# Altium PCB PCB1.PcbDoc
Units mm, origin at the board's own origin, x right, y up, seen from the top; angles counter-clockwise.
Board outline 152.4 x 101.6 mm, 2 copper layers (Top Layer, Bottom Layer); 69 components, 124 nets, 384 pads, 0 vias.
Unrouted connection lines stored in the file: 244.
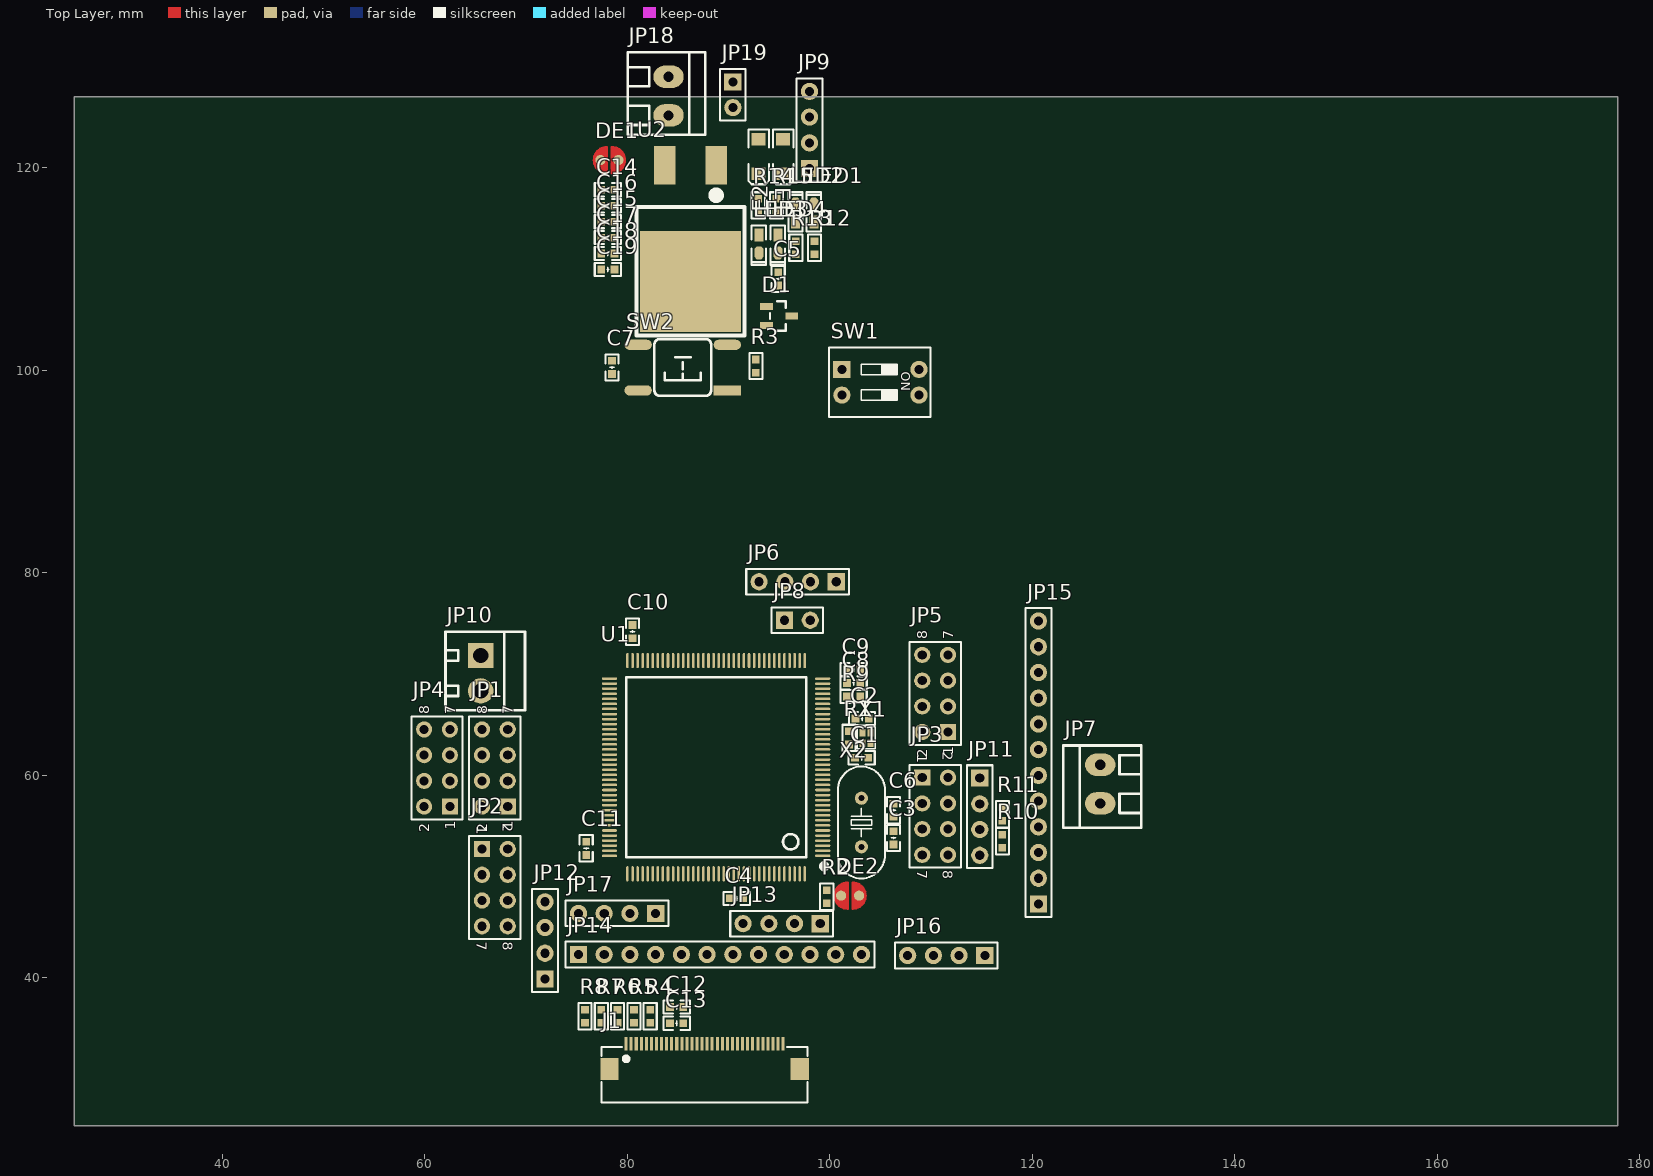
[diagram p0: Top Layer view]
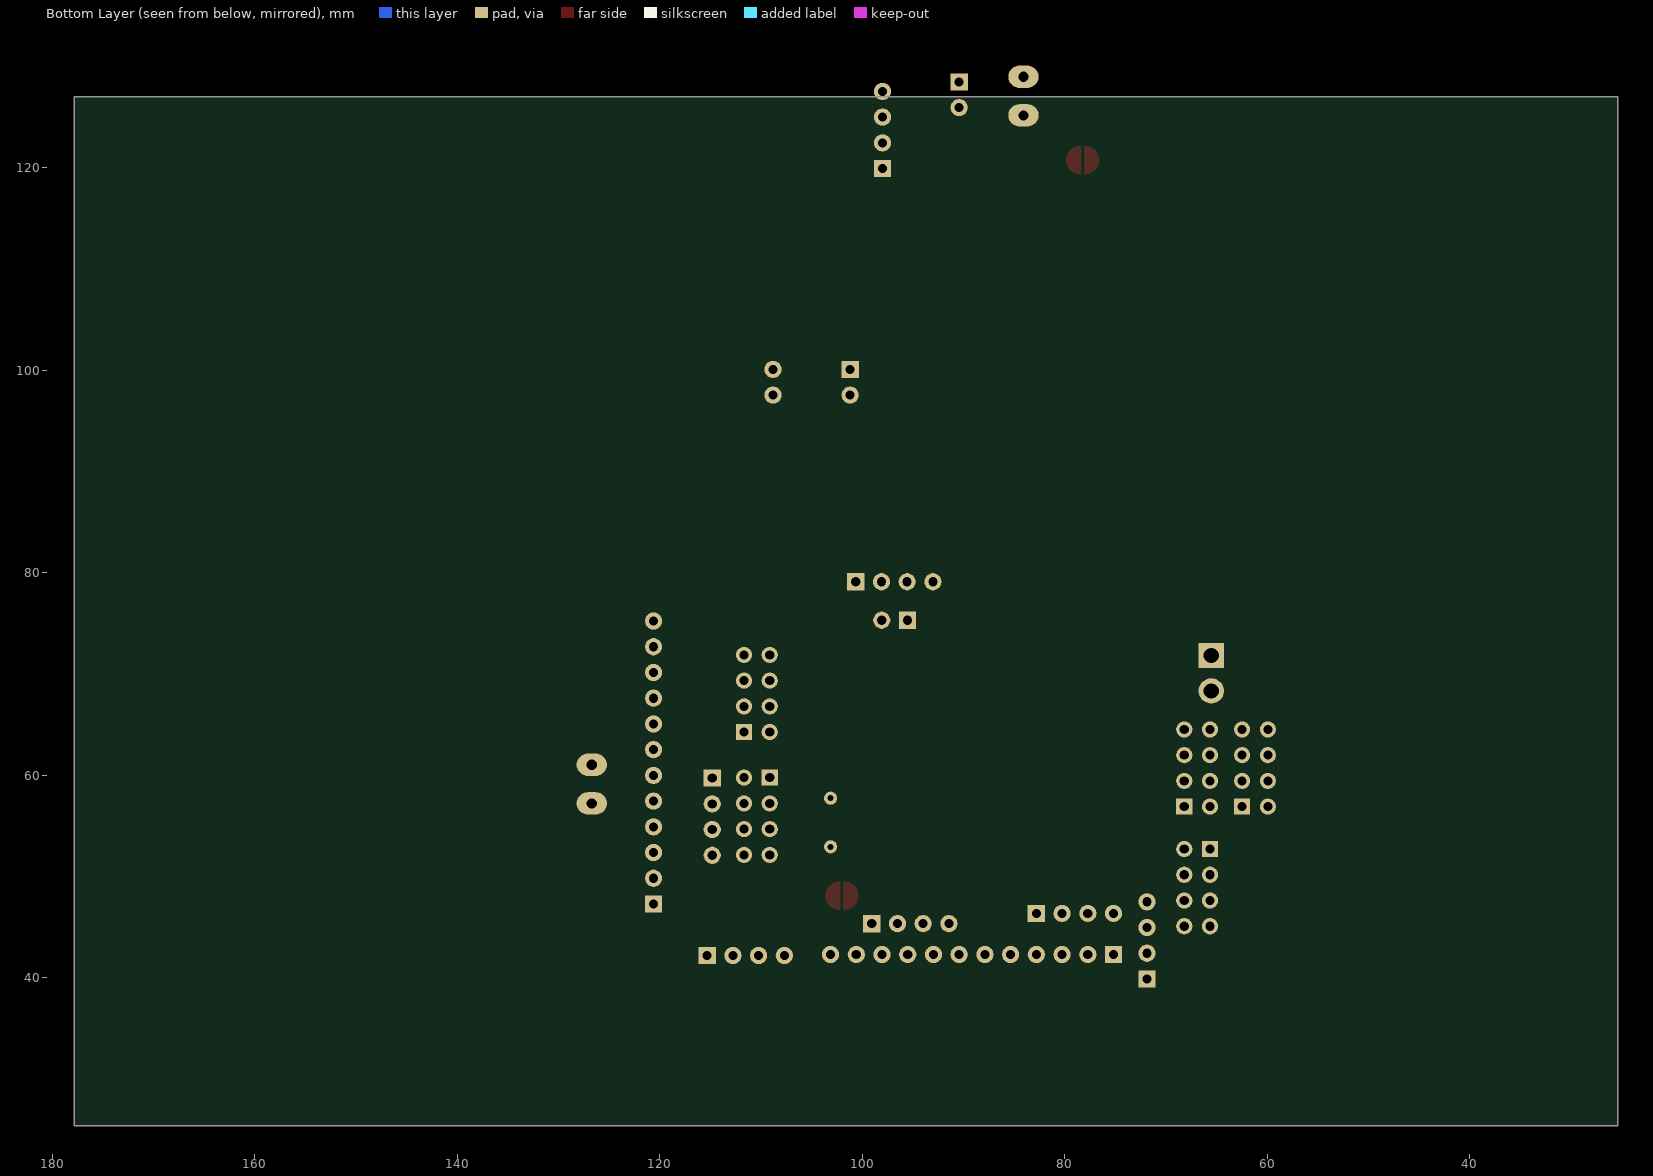
[diagram p1: Bottom Layer view, seen from below]

## Layer stack, top to bottom
Top Solder: solder mask 0.0102, Solder Resist, Dk 3.5
Top Layer: signal copper 0.0356
Dielectric 1: dielectric 0.32, FR-4, Dk 4.8
Bottom Layer: signal copper 0.0356
Bottom Solder: solder mask 0.0102, Solder Resist, Dk 3.5

## Board outline
25.4,25.4 177.8,25.4 177.8,127 25.4,127

## Design rules (kind name [scope] priority, off if disabled: settings)
Clearance [All] p1: gap=0 ignorepadtopadclearanceinfootprint=FALSE
DiffPairsRouting DiffPair_DiffPairsRouting [InDifferentialPair ('NewDifferentialPair3')] p1: maxlimit=0.254 minlimit=0.05 mostfreqgap=0.1 toplayer_minwidth=0.1 toplayer_maxwidth=0.381 toplayer_prefwidth=0.2 bottomlayer_minwidth=0.1 bottomlayer_maxwidth=0.381 bottomlayer_prefwidth=0.2 maxuncoupledlength=12.7
DiffPairsRouting [All] p2: maxlimit=0.254 minlimit=0.254 mostfreqgap=0.254 toplayer_minwidth=0.381 toplayer_maxwidth=0.381 toplayer_prefwidth=0.381 bottomlayer_minwidth=0.381 bottomlayer_maxwidth=0.381 bottomlayer_prefwidth=0.381 maxuncoupledlength=12.7
MatchedLengths DiffPair_MatchedLengths [InDifferentialPair ('NewDifferentialPair3')] p1: tolerance=25.4 checknetsindiffpair=FALSE checkdiffpairvsdiffpair=TRUE checkxsignals=TRUE checkothers=TRUE
PolygonConnect [All] p1: connectstyle=Relief reliefconductorwidth=0.254 reliefentries=4 polygonreliefangle="90 Angle" airgapwidth=0.254
RoutingVias [All] p1: holewidth=0.711 width=1.27 viastyle="Through Hole" minholewidth=0.711 minwidth=1.27 maxholewidth=0.711 maxwidth=1.27
SolderMaskExpansion [All] p1: expansion=0.102
Width [All] p1: maxlimit=2 minlimit=0.1 preferedwidth=0.2
29 further rules are at their usual default settings.

## Classes and differential pairs
component class Sheet2: C14 C15 C16 C17 C18 C19 E1 E2 JP18 JP19 LED3 LED4 R14 R15 U2
component class Sheet1: C1 C2 C3 C4 C5 C6 C7 C8 C9 C10 C11 C12 C13 D1 DE1 DE2 J1 JP1 JP2 JP3 JP4 JP5 JP6 JP7 JP8 JP9 JP10 JP11 JP12 JP13 JP14 JP15 JP16 JP17 LED1 LED2 R1 R2 R3 R4 R5 R6 R7 R8 R9 R10 R11 R12 R13 SW1 SW2 U1 X1 X2
differential pair NewDifferentialPair5: +PA5_DAC2 -PA4_DAC1
differential pair NewDifferentialPair4: +PB12_CAN2_RX -PB13_CAN2_TX
differential pair NewDifferentialPair3: +OSC_IN -OSC_OUT
differential pair NewDifferentialPair2: +PB6_USART1 -PB7_USART1
differential pair NewDifferentialPair1: +OSC32_OUT -OSC32_IN

## Components (designator, comment, footprint, x,y, rotation, side; value= is the part's Value field where it differs from the comment)
C1 "22pF" "C 0603_L" 103.139,61.722 r0 top
C2 "22pF" "C 0603_L" 103.185,65.586 r0 top
C3 "10pF" "C 0603_L" 106.3,53.8 r90 top
C4 "104" "C 0603_L" 90.805,47.834 r0 top
C5 "104" "C 0603_L" 94.9,109 r270 top
C6 "10pF" "C 0603_L" 106.3,56.538 r270 top
C7 "104" "C 0603_L" 78.496,100.259 r90 top
C8 "10uF" "C 0603_L" 102.347,69.106 r180 top
C9 "104" "C 0603_L" 102.347,70.44 r180 top
C10 "225" "C 0603_L" 80.518,74.168 r270 top
C11 "225" "C 0603_L" 75.946,52.772 r90 top
C12 "10uF" "C 0603_L" 84.877,37.115 r0 top
C13 "104" "C 0603_L" 84.877,35.506 r0 top locked
C14 "104" "C 0603_L" 78.092,117.805 r0 top
C15 "104" "C 0603_L" 78.092,114.656 r0 top
C16 "104" "C 0603_L" 78.092,116.23 r0 top
C17 "104" "C 0603_L" 78.092,113.081 r0 top
C18 "104" "C 0603_L" 78.092,111.506 r0 top
C19 "104" "C 0603_L" 78.092,109.931 r0 top
D1 "BAV70 A4" SOT-23(SOT-23-3) 94.998,105.344 r180 top
DE1 "DEBUG PAD" DEBUG_A#1 78.234,120.733 r180 top
DE2 "DEBUG PAD" DEBUG_A#2 102.006,48.102 r0 top
E1 "10uF/6.3V" "CD A(3216)" 95.394,121.092 r90 top
E2 "10uF/6.3V" "CD A(3216)" 92.966,121.092 r90 top
J1 "FPC0.5-32P" FPC0.5-32P 87.639,30.989 r0 top
JP1 "Header 4X2" HDR2.54-LI-2x4P 66.929,60.706 r90 top
JP2 "Header 4X2" HDR2.54-LI-2x4P 66.929,48.895 r270 top
JP3 "Header 4X2" HDR2.54-LI-2x4P 110.4,55.946 r270 top
JP4 "Header 4X2" HDR2.54-LI-2x4P 61.214,60.706 r90 top
JP5 "Header 4X2" HDR2.54-LI-2x4P 110.4,68.07 r90 top
JP6 "HDR-1X4" HDR2.54-LI-4P 96.83,79.1 r180 top
JP7 "HDR-1X2" KF128-3.81-2P 126.7,57.216 r90 top
JP8 "HDR-1X2" HDR2.54-LI-2P 96.8,75.3 r0 top
JP9 "HDR-1X4" HDR2.54-LI-4P 98,123.71 r90 top
JP10 "HDR-1X2" KF350-2P 65.532,71.826 r270 top
JP11 "HDR-1X4" HDR2.54-LI-4P 114.808,55.9 r270 top
JP12 "HDR-1X4" HDR2.54-LI-4P 71.882,43.688 r90 top
JP13 "HDR-1X4" HDR2.54-LI-4P 95.25,45.339 r180 top
JP14 "HDR-1X12" HDR2.54-LI-12P 89.154,42.3 r0 top
JP15 "HDR-1X12" HDR2.54-LI-12P 120.6,61.25 r90 top
JP16 "HDR-1X4" HDR2.54-LI-4P 111.5,42.2 r180 top
JP17 "HDR-1X4" HDR2.54-LI-4P 78.994,46.355 r180 top
JP18 "HDR-1X2" KF128-3.81-2P 84.076,128.966 r270 top
JP19 "HDR-1X2" HDR2.54-LI-2P 90.426,127.188 r270 top
LED1 "红色" "LED 0603R" 98.427,115.504 r90 top
LED2 "红色" "LED 0603B" 96.621,115.504 r90 top
LED3 "红色" "LED 0603R" 92.995,112.456 r270 top
LED4 "红色" "LED 0603B" 94.867,112.456 r270 top
R1 "1M" "R 0603_L" 101.9,63.681 r90 top
R2 "0Ω" "R 0603_L" 99.695,47.991 r90 top
R3 "10k" "R 0603_L" 92.7,100.4 r270 top
R4 "0Ω" "R 0603_L" 82.265,36.196 r90 top
R5 "0Ω" "R 0603_L" 80.656,36.196 r90 top
R6 "0Ω" "R 0603_L" 79.047,36.196 r90 top
R7 "0Ω" "R 0603_L" 77.439,36.196 r90 top
R8 "0Ω" "R 0603_L" 75.83,36.196 r90 top
R9 "0Ω" "R 0603_L" 102.347,67.773 r0 top
R10 "4.7k" "R 0603_L" 117.04,53.473 r90 top
R11 "4.7k" "R 0603_L" 117.04,56.14 r90 top
R12 "3.3K" "R 0603_L" 98.482,112.075 r90 top
R13 "3.3K" "R 0603_L" 96.649,112.075 r90 top
R14 "4.7K" "R 0603_L" 92.94,116.261 r270 top
R15 "3.3K" "R 0603_L" 94.747,116.261 r270 top
SW1 "CSW-2P" "CSW DIP-2P" 105,98.8 r270 top
SW2 "6x6x5" "TSW SMD-6*6*4.3" 85.481,100.259 r180 top
U1 "STM32F407ZG" "LQFP144 20X20_L" 88.773,60.788 r90 top
U2 "AIC1084-33CM" TO263-3B 86.235,108.753 r180 top
X1 "8M" "OSC 1612-4P" 103.622,63.681 r270 top
X2 "32.768k" "OSC HC-49S" 103.124,55.327 r270 top

## Footprints (in the part's own frame and the unit in brackets; to place one, negate y for a bottom-side part, rotate by r counter-clockwise, add the part's x,y. Pads: shape width x height; smd on the part's side, far side on the other; paste and mask are expansions set on the pad)
"C 0603_L" [mil] "无极性贴片电容"
  rect 30x30 smd: 1(-25.59,0) 2(25.59,0)
  silkscreen extent -51,-26 51,26, body extent -31,-16 31,16, height 32
"CD A(3216)" [mm] "长3.2mm，宽1.6mm，厚1.6mm"
  rect 1.2x1.4 smd: 1(-1.7,0) 2(1.7,0)
  silkscreen extent -2.74,-1.02 2.67,1.02, body extent -1.6,-0.8 1.6,0.8, height 1.6
"CSW DIP-2P" [mm] "6.6*9.9*7mm"
  rect 1.7x1.7 hole 0.9: 1(-1.27,-3.81)
  round 1.7 hole 0.9: 2(1.27,-3.81) 3(1.27,3.81) 4(-1.27,3.81)
  silkscreen extent -3.43,-5.08 3.43,4.95, body extent -3.32,-4.95 3.32,4.95, height 6.65
DEBUG_A#1 [mm] "调试断点焊盘"
  round 1 smd paste-1: 1(-0.889,0) 2(0.889,0)
  Top Layer region: 0.254,1.27 0.254,-1.27 0.762,-1.143 1.397,-0.508 1.524,0.254 1.27,0.762 1.016,1.016 0.508,1.27
  Top Layer region: -0.254,1.27 -0.254,-1.27 -0.762,-1.143 -1.397,-0.508 -1.524,0.254 -1.27,0.762 -1.016,1.016 -0.508,1.27
  Top Layer lines w0.254: -0.254,1.27 ccw(c-0.254,0) -0.631,1.213 ccw(c-0.254,0) -0.635,1.212 ccw(c-0.254,0) -1.524,0 ccw(c-0.254,0) -0.792,-1.15 ccw(c-0.254,0) -0.538,-1.238 ccw(c-0.254,0) -0.254,-1.27 -0.254,0.889 -0.254,1.27 ; -0.254,1.27 -0.254,1.27 ; -0.254,1.27 -0.254,1.27 ; -0.254,1.27 -0.254,1.27 ; -0.254,1.27 -0.254,1.27 ; -0.254,1.27 -0.254,1.27 ; -0.254,1.27 -0.254,1.27 ; -0.254,1.27 -0.254,1.27 ; -0.254,1.27 -0.254,1.27 ; -0.254,1.27 -0.254,1.27 ; 0.889,1.1 ccw(c0.254,0) 0.84,1.126 ccw(c0.254,0) 0.254,1.27 0.254,-1.27 ccw(c0.254,0) 0.889,-1.1 ccw(c0.254,0) 0.889,1.1
DEBUG_A#2 [mm] "调试断点焊盘"
  round 1 smd paste-1: 1(-0.889,0) 2(0.889,0)
  Top Layer region: 0.254,1.27 0.254,-1.27 0.762,-1.143 1.397,-0.508 1.524,0.254 1.27,0.762 1.016,1.016 0.508,1.27
  Top Layer region: -0.254,1.27 -0.254,-1.27 -0.762,-1.143 -1.397,-0.508 -1.524,0.254 -1.27,0.762 -1.016,1.016 -0.508,1.27
  Top Layer lines w0.254: -1.524,0 cw(c-0.254,0) -0.254,1.27 -0.254,-1.27 cw(c-0.254,0) -1.307,-0.709 cw(c-0.254,0) -1.336,-0.665 cw(c-0.254,0) -1.524,0 ; 0.254,-1.27 ccw(c0.254,0) 1.524,0 ccw(c0.254,0) 0.889,1.1 ccw(c0.254,0) 0.254,1.27 0.254,-1.27
FPC0.5-32P [mm]
  rect 1.8x2.2 smd: 0(-9.4,0) 0(9.4,0)
  rect 0.3x1.3 smd: 1(-7.75,2.497) 2(-7.25,2.497) 3(-6.75,2.497) 4(-6.25,2.497) 5(-5.75,2.497) 6(-5.25,2.497) 7(-4.75,2.497) 8(-4.25,2.497) 9(-3.75,2.497) 10(-3.25,2.497) 11(-2.75,2.497) 12(-2.25,2.497) 13(-1.75,2.497) 14(-1.25,2.497) 15(-0.75,2.497) 16(-0.25,2.497) 17(0.25,2.497) 18(0.75,2.497) 19(1.25,2.497) 20(1.75,2.497) 21(2.25,2.497) 22(2.75,2.497) 23(3.25,2.497) 24(3.75,2.497) 25(4.25,2.497) 26(4.75,2.497) 27(5.25,2.497) 28(5.75,2.497) 29(6.25,2.497) 30(6.75,2.497) 31(7.25,2.497) 32(7.75,2.497)
  silkscreen extent -10.18,-3.3 10.18,2.16, body extent -10.11,-3.18 10.09,2.82, height 2
HDR2.54-LI-2P [mm] "排针，2脚"
  rect 1.7x1.7 hole 0.9: 1(-1.27,0)
  round 1.7 hole 0.9: 2(1.27,0)
  silkscreen extent -2.54,-1.27 2.54,1.27, body extent -2.54,-1.27 2.54,1.27, height 8.5
HDR2.54-LI-2x4P [mm] "双排排针，4x2脚"
  rect 1.6x1.6 hole 0.9: 1(-3.81,-1.27)
  round 1.6 hole 0.9: 2(-3.81,1.27) 3(-1.27,-1.27) 4(-1.27,1.27) 5(1.27,-1.27) 6(1.27,1.27) 7(3.81,-1.27) 8(3.81,1.27)
  silkscreen extent -5.08,-2.54 5.08,2.54, body extent -5.08,-2.54 5.08,2.54, height 8.5
HDR2.54-LI-4P [mm] "排针，4脚"
  rect 1.7x1.7 hole 0.9: 1(-3.81,0)
  round 1.7 hole 0.9: 2(-1.27,0) 3(1.27,0) 4(3.81,0)
  silkscreen extent -5.08,-1.27 5.08,1.27, body extent -5.08,-1.27 5.08,1.27, height 8.5
HDR2.54-LI-12P [mm] "排针，13脚"
  rect 1.7x1.7 hole 0.9: 1(-13.97,0)
  round 1.7 hole 0.9: 2(-11.43,0) 3(-8.89,0) 4(-6.35,0) 5(-3.81,0) 6(-1.27,0) 7(1.27,0) 8(3.81,0) 9(6.35,0) 10(8.89,0) 11(11.43,0) 12(13.97,0)
  silkscreen extent -15.24,-1.27 15.24,1.27, body extent -15.24,-1.27 15.24,1.27, height 8.5
KF128-3.81-2P [mm] "螺钉式接线端子，脚距3.81mm"
  oval 2.2x3 hole 1: 1(0,0) 2(3.81,0)
  silkscreen extent -2.41,-4.04 5.72,3.63, body extent -2.41,-3.83 5.71,3.57, height 8.55
KF350-2P [mm] "可拼接端子/10A"
  rect 2.5x2.5 hole 1.5: 1(0,0)
  round 2.5 hole 1.5: 2(3.5,0)
  silkscreen extent -2.34,-3.48 5.44,4.37, body extent -2.15,-3.34 5.25,4.16, height 10
"LED 0603B" [mil] "蓝色0603LED"
  rect 50x35 smd: 1(-35,0.26)
  oct 50x35 smd: 2(35,0.26)
  silkscreen extent -71,-28 81,28, body extent -31,-16 32,16, height 24
"LED 0603R" [mil] "红色0603LED"
  rect 50x35 smd: 1(-35,0.26)
  oct 50x35 smd: 2(35,0.26)
  silkscreen extent -71,-28 81,28, body extent -31,-16 31,16, height 18
"LQFP144 20X20_L" [mm] "144脚，体宽20x20mm，脚距0.5mm"
  oval 0.25x1.5 smd: 1(-8.75,-10.525) 2(-8.25,-10.525) 3(-7.75,-10.525) 4(-7.25,-10.525) 5(-6.75,-10.525) 6(-6.25,-10.525) 7(-5.75,-10.525) 8(-5.25,-10.525) 9(-4.75,-10.525) 10(-4.25,-10.525) 11(-3.75,-10.525) 12(-3.25,-10.525) 13(-2.75,-10.525) 14(-2.25,-10.525) 15(-1.75,-10.525) 16(-1.25,-10.525) 17(-0.75,-10.525) 18(-0.25,-10.525) 19(0.25,-10.525) 20(0.75,-10.525) 21(1.25,-10.525) 22(1.75,-10.525) 23(2.25,-10.525) 24(2.75,-10.525) 25(3.25,-10.525) 26(3.75,-10.525) 27(4.25,-10.525) 28(4.75,-10.525) 29(5.25,-10.525) 30(5.75,-10.525) 31(6.25,-10.525) 32(6.75,-10.525) 33(7.25,-10.525) 34(7.75,-10.525) 35(8.25,-10.525) 36(8.75,-10.525) 73(8.75,10.525) 74(8.25,10.525) 75(7.75,10.525) 76(7.25,10.525) 77(6.75,10.525) 78(6.25,10.525) 79(5.75,10.525) 80(5.25,10.525) 81(4.75,10.525) 82(4.25,10.525) 83(3.75,10.525) 84(3.25,10.525) 85(2.75,10.525) 86(2.25,10.525) 87(1.75,10.525) 88(1.25,10.525) 89(0.75,10.525) 90(0.25,10.525) 91(-0.25,10.525) 92(-0.75,10.525) 93(-1.25,10.525) 94(-1.75,10.525) 95(-2.25,10.525) 96(-2.75,10.525) 97(-3.25,10.525) 98(-3.75,10.525) 99(-4.25,10.525) 100(-4.75,10.525) 101(-5.25,10.525) 102(-5.75,10.525) 103(-6.25,10.525) 104(-6.75,10.525) 105(-7.25,10.525) 106(-7.75,10.525) 107(-8.25,10.525) 108(-8.75,10.525)
  oval 1.5x0.25 smd: 37(10.525,-8.75) 38(10.525,-8.25) 39(10.525,-7.75) 40(10.525,-7.25) 41(10.525,-6.75) 42(10.525,-6.25) 43(10.525,-5.75) 44(10.525,-5.25) 45(10.525,-4.75) 46(10.525,-4.25) 47(10.525,-3.75) 48(10.525,-3.25) 49(10.525,-2.75) 50(10.525,-2.25) 51(10.525,-1.75) 52(10.525,-1.25) 53(10.525,-0.75) 54(10.525,-0.25) 55(10.525,0.25) 56(10.525,0.75) 57(10.525,1.25) 58(10.525,1.75) 59(10.525,2.25) 60(10.525,2.75) 61(10.525,3.25) 62(10.525,3.75) 63(10.525,4.25) 64(10.525,4.75) 65(10.525,5.25) 66(10.525,5.75) 67(10.525,6.25) 68(10.525,6.75) 69(10.525,7.25) 70(10.525,7.75) 71(10.525,8.25) 72(10.525,8.75) 109(-10.525,8.75) 110(-10.525,8.25) 111(-10.525,7.75) 112(-10.525,7.25) 113(-10.525,6.75) 114(-10.525,6.25) 115(-10.525,5.75) 116(-10.525,5.25) 117(-10.525,4.75) 118(-10.525,4.25) 119(-10.525,3.75) 120(-10.525,3.25) 121(-10.525,2.75) 122(-10.525,2.25) 123(-10.525,1.75) 124(-10.525,1.25) 125(-10.525,0.75) 126(-10.525,0.25) 127(-10.525,-0.25) 128(-10.525,-0.75) 129(-10.525,-1.25) 130(-10.525,-1.75) 131(-10.525,-2.25) 132(-10.525,-2.75) 133(-10.525,-3.25) 134(-10.525,-3.75) 135(-10.525,-4.25) 136(-10.525,-4.75) 137(-10.525,-5.25) 138(-10.525,-5.75) 139(-10.525,-6.25) 140(-10.525,-6.75) 141(-10.525,-7.25) 142(-10.525,-7.75) 143(-10.525,-8.25) 144(-10.525,-8.75)
  silkscreen extent -10.03,-10.92 8.89,8.89, body extent -11,-11 11,11, height 1.45
"OSC 1612-4P" [mm]
  rect 0.75x0.6 smd: 1(-0.525,-0.4) 2(0.525,-0.4) 3(0.525,0.4) 4(-0.525,0.4)
  silkscreen extent -1.22,-0.99 1.09,0.89, body extent -0.8,-0.64 0.8,0.57, height 0.35
"OSC HC-49S" [mm]
  round 1.3 hole 0.6: 1(-2.4,0) 2(2.4,0)
  silkscreen extent -5.52,-2.32 5.52,2.33, body extent -5.53,-2.29 5.53,2.36, height 4.13
"R 0603_L" [mil] "1/10W贴片电阻"
  rect 30x30 smd: 1(-25.59,0) 2(25.59,0)
  silkscreen extent -51,-26 51,26, body extent -31,-16 32,16, height 16
SOT-23(SOT-23-3) [mm]
  rect 1.25x0.7 smd: 1(1.25,-0.95) 2(1.25,0.95) 3(-1.25,0)
  silkscreen extent -0.65,-1.46 0.9,1.46, body extent -1.5,-1.5 1.5,1.5, height 1.3
TO263-3B [mm]
  rect 10x10 smd: D(0,0)
  rect 2.1x3.8 smd: G(-2.54,-11.45) S(2.54,-11.45)
  silkscreen extent -5.33,-8.89 5.33,5.33, body extent -4.92,-11.05 5.08,3.88, height 4.5
"TSW SMD-6*6*4.3" [mm] "6*6*4.3mm"
  rect 2.7x1 smd: 1(-4.4,2.261)
  oval 2.7x1 smd: 2(-4.4,-2.239) 3(4.4,-2.239) 4(4.4,2.261)
  silkscreen extent -2.79,-2.79 2.79,2.79, body extent -4.5,-3 4.5,3, height 4.25

## Part data
C1 C2 C3 C4 C5 C6 C7 C8 C9 C10 C11 C12 C13 C14 C15 C16 C17 C18 C19: library part C, "无极性贴片电容"
D1: library part "SOT-23 BAV70 A4", "开关二极管", Package=SOT-23, SuppliersPartNumber=C68978, ComponentLink1Description=供?, ComponentLink1URL=http://www.szlcsc.com/product/details_70091.html, Supplier=LC
DE1 DE2: library part DEBUG, "调试断点焊盘"
E1 E2: library part C-CD, "贴片钽电容"
J1: "贴片"
JP1 JP2 JP3 JP4 JP5: "4*2P接插件"
JP6 JP9 JP11 JP12 JP13 JP16 JP17: library part "Header 4", "4P接插件"
JP7 JP8 JP10 JP18 JP19: library part "Header 2", "2P接插件"
JP14 JP15: library part "Header 12", "12P接插件"
LED1 LED2 LED3 LED4: library part LED-SMD, "贴片LED"
R1 R2 R3 R4 R5 R6 R7 R8 R9 R10 R11 R12 R13 R14 R15: library part R, "贴片电阻"
SW1: "2路编码开关"
SW2: library part "TSW SMD-6x6", "贴片6x6轻触开关"
U1: "Flaah:1024/RAM:192/IO:114"
X1: library part XTAL-4P, "4脚无源晶振"
X2: library part XTAL-2P, "2脚无源脚晶振"

## Nets (pads, with @x,y where several pads share a name; then routed paths per layer and width w, separated by ;. In a path a pad name is that pad's centre, name@x,y a point inside that pad or via, vN(x,y) a via of type N, cw(c..) or ccw(c..) an arc to the next point about the centre after c; other vN are vias at no path point)
+5: C5.2 E2.1 J1.6 JP4.1 JP4.5 JP18.1 JP19.1 R14.1 U2.S
BOOT0: SW1.3 U1.138
BOOT1: R4.2 SW1.4 U1.48
LCD_BL: J1.11 U1.76
NetC7_1: C7.1 SW2.4
NetC7_2: C7.2 SW2.3
NetLED1_1: LED1.1 R12.2
NetLED2_1: LED2.1 R13.2
NetLED3_1: LED3.1 R14.2
NetLED4_1: LED4.1 R15.2
OSC32_IN: C3.1 U1.8 X2.2
OSC32_OUT: C6.1 U1.9 X2.1
OSC_IN: C1.1 R1.1 U1.23 X1.3
OSC_OUT: C2.1 R1.2 U1.24 X1.1
PA0_TIM2CH1: JP3.1 U1.34
PA1_ADC1IN1: JP5.1 U1.35
PA2_USART2: JP16.2 U1.36
PA3_ADC1IN3: JP5.3 U1.37
PA4_DAC1: JP8.2 U1.40
PA5_DAC2: JP8.1 U1.41
PA6_ADC1IN6: JP5.5 U1.42
PA7_ADC1IN7: JP5.7 U1.43
PA8_TIM1CH1: JP2.1 U1.100
PA9_TIM1CH2: JP2.3 U1.101
PA10_TIM1CH3: JP2.5 U1.102
PA11_TIM1CH4: JP2.7 U1.103
PA12: JP14.1 U1.104
PA15_SPI3_NSS: JP17.4 U1.110
PB0_TIM3CH3: JP3.2 R8.2 U1.46
PB1_TIM3CH4: JP3.4 R6.2 U1.47
PB3_TIM2CH2: JP3.3 U1.133
PB4_TIM3_EN1: JP4.2 U1.134
PB5_TIM3_EN2: JP4.4 U1.135
PB6_USART1: JP13.3 U1.136
PB7_USART1: JP13.2 U1.137
PB8_TIM4CH3: JP3.6 U1.139
PB9_TIM4CH4: JP3.8 U1.140
PB10_TIM2CH3: JP3.5 U1.69
PB11_TIM2CH4: JP3.7 U1.70
PB12_CAN2_RX: JP10.1 U1.73
PB13_CAN2_TX: JP10.2 U1.74
PB14: JP14.2 U1.75
PC0_ADC2IN10: JP5.2 U1.26
PC1_ADC2IN11: JP5.4 U1.27
PC2_ADC2IN12: JP5.6 U1.28
PC3_ADC2IN13: JP5.8 U1.29
PC4: JP14.3 U1.44
PC5: JP14.4 U1.45
PC6_TIM8CH1: JP1.7 U1.96
PC7_TIM8CH2: JP1.5 U1.97
PC8_TIM8CH3: JP1.3 U1.98
PC9_TIM8CH4: JP1.1 U1.99
PC10_SPI3_SCK: JP17.3 U1.111
PC11_SPI3_MISO: JP17.2 U1.112
PC12_SPI3_MOSI: JP17.1 U1.113
PC13_KEY0: JP6.1 R7.2 U1.7
PD0_FSMC_D2: J1.25 U1.114
PD1_FSMC_D3: J1.24 U1.115
PD2: JP14.5 U1.116
PD3: JP14.6 U1.117
PD4_FSMC_NOE: J1.29 U1.118
PD5_FSMC_NWE: J1.30 U1.119
PD6_USART2: JP16.3 U1.122
PD7: JP14.7 U1.123
PD8_FSMC_D13: J1.14 U1.77
PD9_FSMC_D14: J1.13 U1.78
PD10_FSMC_D15: J1.12 U1.79
PD11_KEY1: JP6.2 U1.80
PD12_TIM4_EN1: JP4.6 U1.81
PD13_TIM4_EN2: JP4.8 U1.82
PD14_FSMC_D0: J1.27 U1.85
PD15_FSMC_D1: J1.26 U1.86
PDR: DE2.1 R2.1 U1.143
PE0: JP14.8 U1.141
PE1: JP14.9 U1.142
PE2: JP14.10 U1.1
PE3: JP14.11 U1.2
PE4: JP14.12 U1.3
PE5: JP15.1 U1.4
PE6: JP15.2 U1.5
PE7_FSMC_D4: J1.23 U1.58
PE8_FSMC_D5: J1.22 U1.59
PE9_FSMC_D6: J1.21 U1.60
PE10_FSMC_D7: J1.20 U1.63
PE11_FSMC_D8: J1.19 U1.64
PE12_FSMC_D9: J1.18 U1.65
PE13_FSMC_D10: J1.17 U1.66
PE14_FSMC_D11: J1.16 U1.67
PE15_FSMC_D12: J1.15 U1.68
PF0_IIC2_SDA: JP11.3 R10.2 U1.10
PF1_IIC2_SCL: JP11.2 R11.2 U1.11
PF2_LED0: JP9.2 R12.1 U1.12
PF3_LED1: JP9.3 R13.1 U1.13
PF4_ADC3IN14: JP7.1 U1.14
PF5_ADC3IN15: JP7.2 U1.15
PF6: JP15.3 U1.18
PF7: JP15.4 U1.19
PF8: JP15.5 U1.20
PF9: JP15.6 U1.21
PF10: JP15.7 U1.22
PF11_KEY2: JP6.3 R5.2 U1.49
PF12_FSMC_A6: J1.31 U1.50
PF13: JP15.8 U1.53
PF14: JP15.9 U1.54
PF15: JP15.10 U1.55
PG0: JP15.11 U1.56
PG1_KEY3: JP6.4 U1.57
PG2: JP15.12 U1.87
PG12_FSMC_NE4: J1.32 U1.127
RST: J1.28 R3.2 SW2.1 U1.25
SWCLK: JP12.2 U1.109
SWDIO: JP12.3 U1.105
T_CS: J1.2 R7.1
T_MISO: J1.5 R4.1
T_MOSI: J1.4 R5.1
T_PEN: J1.3 R6.1
T_SCLK: J1.1 R8.1
VBAT: D1.3 U1.6
VBAT_PIN_IN: D1.2 JP9.1
VCAP1: C10.2 U1.71
VCAP2: C11.2 U1.106
VDDA: C4.2 C12.2 C13.2 C14.2 C15.2 C16.2 C17.2 C18.2 C19.2 D1.1 DE1.1 E1.1 J1.9 J1.10 JP11.4 JP12.4 JP13.4 JP16.4 R2.2 R3.1 R9.2 R10.1 R11.1 R15.1 U1.17 U1.30 U1.33 U1.39 U1.52 U1.62 U1.72 U1.84 U1.95 U1.108 U1.121 U1.131 U1.144 U2.D
VREF+: C8.2 C9.2 R9.1 U1.32
VSSA: C1.2 C2.2 C3.2 C4.1 C5.1 C6.2 C8.1 C9.1 C10.1 C11.1 C12.1 C13.1 C14.1 C15.1 C16.1 C17.1 C18.1 C19.1 DE1.2 DE2.2 E1.2 E2.2 J1.7 J1.8 JP1.2 JP1.4 JP1.6 JP1.8 JP2.2 JP2.4 JP2.6 JP2.8 JP4.3 JP4.7 JP9.4 JP11.1 JP12.1 JP13.1 JP16.1 JP18.2 JP19.2 LED1.2 LED2.2 LED3.2 LED4.2 SW1.1 SW1.2 SW2.2 U1.16 U1.31 U1.38 U1.51 U1.61 U1.83 U1.94 U1.107 U1.120 U1.130 U2.G
pads on no net: J1.0 U1.88 U1.89 U1.90 U1.91 U1.92 U1.93 U1.124 U1.125 U1.126 U1.128 U1.129 U1.132 X1.2 X1.4